# Altium PCB PCB main.PcbDoc
Units mm, origin at the board's own origin, x right, y up, seen from the top; angles counter-clockwise.
Board outline 150 x 150 mm, 2 copper layers (Top Layer, Bottom Layer); 97 components, 75 nets, 420 pads, 0 vias.
Unrouted connection lines stored in the file: 239.
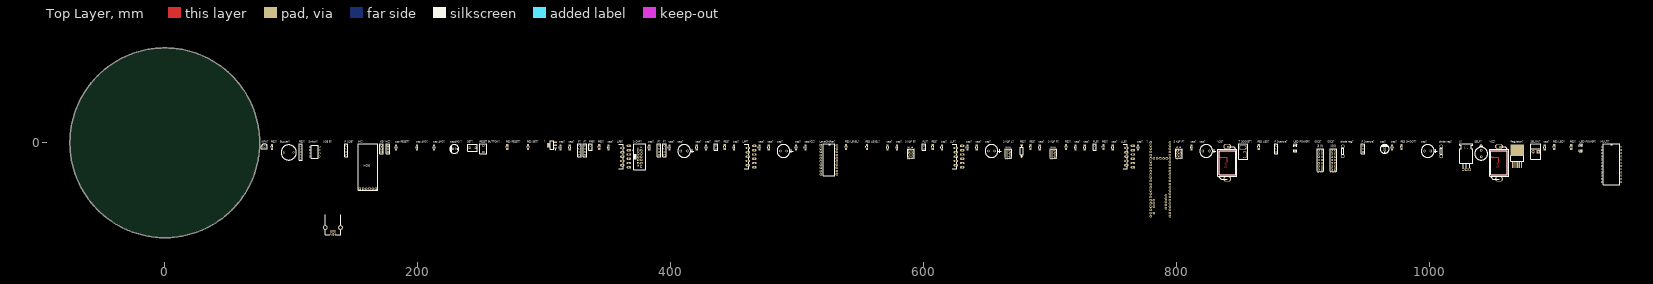
[diagram p0: Top Layer view]
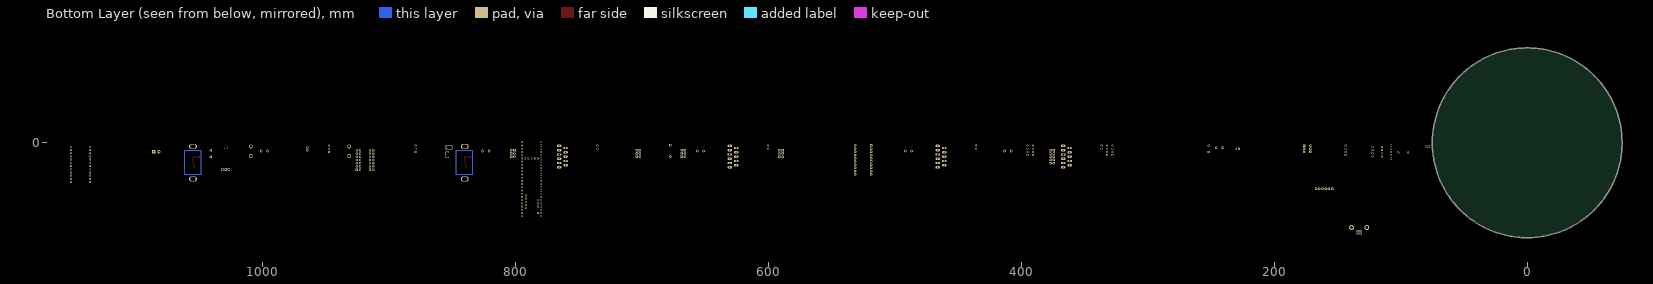
[diagram p1: Bottom Layer view, seen from below]

## Layer stack, top to bottom
Top Solder: solder mask 0.0102, Solder Resist, Dk 3.5
Top Layer: signal copper 0.0356
Dielectric 1: dielectric 0.32, FR-4, Dk 4.8
Bottom Layer: signal copper 0.0356
Bottom Solder: solder mask 0.0102, Solder Resist, Dk 3.5

## Board outline
0,-75 cw(c0,0) -75,0 cw(c0,0) 0,75 cw(c0,0) 75,0 cw(c0,0)

## Design rules (kind name [scope] priority, off if disabled: settings)
Clearance [All] p1: gap=0.5 ignorepadtopadclearanceinfootprint=FALSE
PolygonConnect [All] p1: connectstyle=Relief reliefconductorwidth=0.254 reliefentries=4 polygonreliefangle="90 Angle" airgapwidth=0.254
RoutingVias [All] p1: holewidth=0.711 width=1.27 viastyle="Through Hole" minholewidth=0.711 minwidth=1.27 maxholewidth=0.711 maxwidth=1.27
SolderMaskExpansion [All] p1: expansion=0.102
Width [All] p1: maxlimit=0.254 minlimit=0.254 preferedwidth=0.254
30 further rules are at their usual default settings.

## Classes and differential pairs
component class "main schematic": ? Buzzer? "cap AMS?" "cap RESET?" cap? "capAMS ?" capVCC? "diode reg?" HC? IDCS? "KEY HC?" "LED POWER?" LevelShifter? LLB? LLF? LRB? LRF? MULTI? NPN? "P Scense?" "P USB?" P? PLB? PLF? PRB? PRF? Regulator? "RES LED?" "RES LEVEL?" "RES RESET?" "RES SET?" "RES SHOOT?" RES? "RESET BUTTON?" "S CMP?" "S KAF B?" "S KAF F?" "S KAF L?" "S KAF R?" SELF? SELON? SET? Switch? "T SOCKET?" t? "USB B?" VCC? VSS?

## Components (designator, comment, footprint, x,y, rotation, side; value= is the part's Value field where it differs from the comment)
? "LD1117DT33" SOT223 306.07,-1.905 r90 top
? "TEENSY_3.5/3.6" TEENSY_3.5/3.6 786.892,-30.099 r90 top
Buzzer? "Buzzer" Buzzer 97.917,-7.62 r0 top
"cap AMS?" "smd" "Cap SMD" 199.39,-3.683 r90 top
"cap AMS?" "smd" "Cap SMD" 212.852,-3.683 r90 top
"cap RESET?" "smd" "Cap SMD" 182.88,-3.683 r90 top
cap? "1000uf" "Cap 1000uf" 653.415,-6.477 r0 top
cap? "smd" "Cap SMD" 614.299,-3.683 r90 top
cap? "smd" "Cap SMD" 571.373,-3.683 r90 top
cap? "smd" "Cap SMD" 578.739,-3.683 r90 top
cap? "1000uf" "Cap 1000uf" 488.95,-6.477 r0 top
cap? "smd" "Cap SMD" 634.365,-3.683 r90 top
cap? "smd" "Cap SMD" 427.863,-3.683 r90 top
cap? "smd" "Cap SMD" 769.366,-3.683 r90 top
cap? "smd" "Cap SMD" 1090.803,-3.683 r90 top
cap? "smd" "Cap SMD" 691.642,-3.683 r90 top
cap? "smd" "Cap SMD" 498.983,-3.683 r90 top
cap? "smd" "Cap SMD" 398.907,-3.683 r90 top
cap? "smd" "Cap SMD" 719.836,-3.683 r90 top
cap? "smd" "Cap SMD" 477.393,-3.683 r90 top
cap? "smd" "Cap SMD" 811.53,-3.683 r90 top
cap? "smd" "Cap SMD" 641.731,-3.683 r90 top
cap? "smd" "Cap SMD" 727.202,-3.683 r90 top
cap? "1000uf" "Cap 1000uf" 823.087,-6.477 r0 top
cap? "smd" "Cap SMD" 749.3,-3.683 r90 top
cap? "smd" "Cap SMD" 382.905,-3.683 r90 top
cap? "1000uf" "Cap 1000uf" 410.464,-6.477 r0 top
cap? "smd" "Cap SMD" 470.027,-3.683 r90 top
cap? "smd" "Cap SMD" 312.674,-3.683 r90 top
cap? "smd" "Cap SMD" 350.774,-3.683 r90 top
cap? "1000uf" "Cap 1000uf" 998.22,-6.477 r0 top
cap? "smd" "Cap SMD" 970.153,-3.683 r90 top
cap? "smd" "Cap SMD" 320.04,-3.683 r90 top
cap? "smd" "Cap SMD" 420.497,-3.683 r90 top
cap? "smd" "Cap SMD" 449.961,-3.683 r90 top
cap? "100uf" "Cap 100uF" 964.184,-4.953 r0 top
"capAMS ?" "100uf" "Cap 100uF" 228.981,-4.953 r90 top
capVCC? "smd" "Cap SMD" 506.349,-3.683 r90 top
"diode reg?" "Diode" Diode 1008.888,-6.731 r90 top
"diode reg?" "Diode" Diode 931.037,-6.731 r90 top
HC? "HC05" HC05 159.766,-21.082 r0 top
IDCS? "IDC 2X7" "IDC 2X7" 924.179,-13.335 r90 top
IDCS? "IDC 2X7" "IDC 2X7" 913.765,-13.335 r90 top
"KEY HC?" "KEY 2ST" "KEY 2ST" 173.863,-4.699 r90 top
"LED POWER?" "SMD" "LED SMD" 893.445,-3.81 r90 top
"LED POWER?" "SMD" "LED SMD" 1119.378,-3.81 r90 top
LevelShifter? "LevelShifter" CJMCU 518.541,-2.032 r0 top
LLB? "L6203" MultiWatt11 762.254,-10.922 r90 top
LLF? "L6203" MultiWatt11 627.38,-10.922 r90 top
LRB? "L6203" MultiWatt11 363.855,-10.922 r90 top
LRF? "L6203" MultiWatt11 463.042,-10.922 r90 top
MULTI? "4067 DIP" "4067 DIP" 1143.762,-16.891 r0 top
NPN? "N2222A" NPN 78.74,-3.048 r0 top
"P Scense?" "Header 3" HDR1X3 878.586,-7.239 r90 top
"P Scense?" "Header 3" HDR1X3 947.039,-7.239 r90 top
"P USB?" "Header 4" HDR1X4 143.51,-9.779 r90 top
P? "Header 4" HDR1X4 390.652,-9.779 r90 top
P? "Header 4" HDR1X4 327.787,-9.779 r90 top
P? "Header 4" HDR1X4 332.105,-9.779 r90 top
P? "Header 4" HDR1X4 394.97,-9.779 r90 top
PLB? "Header 2" HDR1X2 734.949,-4.699 r90 top
PLF? "Header 2" HDR1X2 600.075,-4.699 r90 top
PRB? "Header 2" HDR1X2 336.423,-4.699 r90 top
PRF? "Header 2" HDR1X2 435.61,-4.699 r90 top
Regulator? "LM2576" D2PAK 1068.959,-9.525 r90 top
"RES LED?" "SMD" "Resistor SMD 1206" 864.743,-3.175 r90 top
"RES LED?" "SMD" "Resistor SMD 1206" 1098.296,-3.175 r90 top
"RES LEVEL?" "SMD" "Resistor SMD 1206" 554.99,-3.175 r90 top
"RES LEVEL?" "SMD" "Resistor SMD 1206" 538.48,-3.175 r90 top
"RES RESET?" "SMD" "Resistor SMD 1206" 270.637,-3.175 r90 top
"RES SET?" "SMD" "Resistor SMD 1206" 287.147,-3.175 r90 top
"RES SHOOT?" "SMD" "Resistor SMD 1206" 977.519,-3.175 r90 top
RES? "SMD" "Resistor SMD 1206" 684.276,-3.175 r90 top
RES? "Res Array 5" "Res Array 5" 107.569,-7.747 r90 top
RES? "SMD" "Resistor SMD 1206" 84.709,-3.175 r90 top
RES? "DIP" Resistor 677.164,-6.35 r90 top
RES? "SMD" "Resistor SMD 1206" 1111.758,-3.175 r90 top
RES? "SMD" "Resistor SMD 1206" 712.47,-3.175 r90 top
RES? "SMD" "Resistor SMD 1206" 442.595,-3.175 r90 top
RES? "SMD" "Resistor SMD 1206" 607.06,-3.175 r90 top
RES? "SMD" "Resistor SMD 1206" 343.408,-3.175 r90 top
RES? "SMD" "Resistor SMD 1206" 741.934,-3.175 r90 top
"RESET BUTTON?" "SW-PB" SW_2pin 251.714,-4.699 r90 top
"S CMP?" "IDC2x5" "IDC 2x5" 375.539,-11.049 r0 top
"S KAF B?" "IDC 2X3" "IDC 2X3" 589.788,-8.382 r90 top
"S KAF F?" "IDC 2X3" "IDC 2X3" 801.751,-8.382 r90 top
"S KAF L?" "IDC 2X3" "IDC 2X3" 667.004,-8.382 r90 top
"S KAF R?" "IDC 2X3" "IDC 2X3" 702.564,-8.382 r90 top
SELF? "1000uf" "Cap 1000uf" 1040.511,-8.636 r90 top
SELON? "Selon" "Selon Con" 1083.564,-7.493 r0 top
SET? "SW-PB" SW_2pin 243.332,-3.937 r0 top
Switch? "DIP4" "DIP SW4" 118.491,-6.985 r90 top
"T SOCKET?" "TSocket" TSocket 857.377,-6.985 r90 top
t? "TIP41" TIP41 1028.573,-11.684 r0 top
"USB B?" "USB_B" USB_B.2 132.842,-69.342 r90 top
VCC? "Power Key" "Power Key" 1054.735,-15.875 r90 top
VSS? "Power Key" "Power Key" 839.978,-15.875 r90 top

## Footprints (in the part's own frame and the unit in brackets; to place one, negate y for a bottom-side part, rotate by r counter-clockwise, add the part's x,y. Pads: shape width x height; smd on the part's side, far side on the other; paste and mask are expansions set on the pad)
"4067 DIP" [mm]
  rect 1.5x1.5 hole 0.9: 1(-7.874,13.776)
  round 1.5 hole 0.9: 2(-7.874,11.236) 3(-7.874,8.696) 4(-7.874,6.156) 5(-7.874,3.616) 6(-7.874,1.076) 7(-7.874,-1.464) 8(-7.874,-4.004) 9(-7.874,-6.544) 10(-7.874,-9.084) 11(-7.874,-11.624) 12(-7.874,-14.164) 13(7.366,-14.164) 14(7.366,-11.624) 15(7.366,-9.084) 16(7.366,-6.544) 17(7.366,-4.004) 18(7.366,-1.464) 19(7.366,1.076) 20(7.366,3.616) 21(7.366,6.156) 22(7.366,8.696) 23(7.366,11.236) 24(7.366,13.776)
  silkscreen extent -6.7,-16.34 6.2,15.96, body extent -9.14,-16.64 8.64,16, height 9.79
Buzzer [mil]
  round 60 hole 30: 1(-149,0) 2(151,0)
  silkscreen extent -235,-236 237,236, body extent -269,-269 270,270, height 299
"Cap 100uF" [mm]
  oval 2x1.5 hole 1: 1(0.076,-0.973) 2(0.076,1.227)
  silkscreen extent -3.42,-3.37 3.58,3.63, body extent -2.45,-2.4 2.6,2.65, height 11.53
"Cap 1000uf" [mm]
  round 2 hole 1.2: 1(2.591,0) 2(-2.489,0)
  silkscreen extent -5.03,-5.08 7.67,5.08, body extent -5,-5 5,5, height 13.5
"Cap SMD" [mm]
  rect 1.5x1.7 smd: 1(-1.525,0) 2(1.525,0)
  silkscreen extent -0.47,-0.72 0.53,0.78, body extent -1.49,-0.76 1.55,0.76, height 0.75
CJMCU [mm]
  round 2 hole 1: A1(0,-2.54) A2(0,-5.08) A3(0,-7.62) A4(0,-10.16) A5(0,-12.7) A6(0,-15.24) A7(0,-17.78) A8(0,-20.32) B1(12.7,-2.54) B2(12.7,-5.08) B3(12.7,-7.62) B4(12.7,-10.16) B5(12.7,-12.7) B6(12.7,-15.24) B7(12.7,-17.78) B8(12.7,-20.32) GND(12.7,-22.86) OE(0,-22.86) vB(12.7,0)
  rect 2x2 hole 1: vA(0,0)
  silkscreen extent 1.98,-24.13 11.1,1.14
D2PAK [mm] "LM2576"
  rect 5x1.05 smd paste-25.4 mask-25.4: 1(-7.758,3.375) 2(-7.758,1.675) 3(-7.758,-0.025) 4(-7.758,-1.725) 5(-7.758,-3.425)
  rect 9x10.5 smd mask-25.4: 6(3.592,-0.025)
  silkscreen extent -5.01,-5.13 -0.51,5.07, body extent -7.37,-5.08 6.86,5.08, height 4.87
Diode [mm]
  round 3 hole 2: 1(3.861,-0.025) 2(-3.759,-0.025)
  silkscreen extent -2.72,-0.79 2.82,0.74, body extent -3.57,-1.03 3.93,0.97, height 2
"DIP SW4" [mm]
  rect 1.5x1.5 hole 0.9: 1(3.829,3.854)
  round 1.5 hole 0.9: 2(1.289,3.854) 3(-1.251,3.854) 4(-3.791,3.854) 5(-3.791,-3.766) 6(-1.251,-3.766) 7(1.289,-3.766) 8(3.829,-3.766)
  silkscreen extent -5.13,-2.61 5.17,2.69, body extent -6.12,-4.7 6.22,5.08, height 8.14
HC05 [mm]
  rect 2x2 hole 1.1: 1(-5.588,-15.24)
  round 2 hole 1.1: 2(-3.048,-15.24) 3(-0.508,-15.24) 4(2.032,-15.24) 5(4.572,-15.24) 6(7.112,-15.24)
  silkscreen extent -6.98,-16.51 8.51,20.19, body extent -7.21,-22.82 8.89,19.78, height 5.9
HDR1X2 [mm] "Connector; Header; 2 Position"
  rect 1.5x1.5 hole 0.9: 1(0,0)
  round 1.5 hole 0.9: 2(2.54,0)
  silkscreen extent -1.27,-1.27 3.81,1.27
HDR1X3 [mm] "Connector; Header; 3 Position"
  rect 1.5x1.5 hole 0.9: 1(0,0)
  round 1.5 hole 0.9: 2(2.54,0) 3(5.08,0)
  silkscreen extent -1.27,-1.27 6.35,1.27
HDR1X4 [mm] "Connector; Header; 4 Position"
  rect 1.5x1.5 hole 0.9: 1(0,0)
  round 1.5 hole 0.9: 2(2.54,0) 3(5.08,0) 4(7.62,0)
  silkscreen extent -1.27,-1.27 8.89,1.27
"IDC 2X3" [mm]
  rect 2x2 hole 1.1: 1(-2.54,-1.27) 6(2.54,1.27)
  round 2 hole 1.1: 2(-2.54,1.27) 3(0,-1.27) 4(0,1.27) 5(2.54,-1.27)
  silkscreen extent -3.81,-2.54 3.81,2.54, body extent -7.62,-4.86 7.62,4.59, height 9.1
"IDC 2x5" [mm] "IDC 5x2"
  rect 2x2 hole 1.1: 1(-1.397,5.131)
  round 2 hole 1.1: 2(1.143,5.131) 3(-1.397,2.591) 4(1.143,2.591) 5(-1.397,0.051) 6(1.143,0.051) 7(-1.397,-2.489) 8(1.143,-2.489) 9(-1.397,-5.029) 10(1.143,-5.029)
  silkscreen extent -5.5,-10.11 4.47,10.21, body extent -4.73,-10.11 5.09,10.21, height 133.79
"IDC 2X7" [mm]
  rect 1.8x1.8 hole 1.1 unplated: 1(-7.874,-0.889)
  round 1.8 hole 1.1 unplated: 2(-7.874,1.651) 3(-5.334,-0.889) 4(-5.334,1.651) 5(-2.794,-0.889) 6(-2.794,1.651) 7(-0.254,-0.889) 8(-0.254,1.651) 9(2.286,-0.889) 10(2.286,1.651) 11(4.826,-0.889) 12(4.826,1.651) 13(7.366,-0.889) 14(7.366,1.651)
  silkscreen extent -9.14,-2.16 8.64,2.92, body extent -12.83,-4.06 12.55,5.04, height 9.3
"KEY 2ST" [mm]
  rect 2x2 hole 1.1: 1(-2.54,2.54) 6(2.54,-2.54)
  round 2 hole 1.1: 2(-2.54,-2.54) 3(0,2.54) 4(0,-2.54) 5(2.54,2.54)
  silkscreen extent -3.81,-3.81 3.81,3.81
"LED SMD" [mm]
  rect 1.5x1.5 smd: 1(-2.125,0.025) 2(1.525,0.025)
  silkscreen extent -3.4,-1.12 2.95,1.18, body extent -1.92,-0.7 1.38,0.75, height 1.36
MultiWatt11 [mm] "L6203"
  oval 1.8x3.6 hole 1.3 mask-25.4: 1(-8.5,-2.921) 2(-6.8,2.159) 3(-5.1,-2.921) 4(-3.4,2.159) 5(-1.7,-2.921) 6(0,2.159) 7(1.7,-2.921) 8(3.4,2.159) 9(5.1,-2.921) 10(6.8,2.159) 11(8.5,-2.921)
  silkscreen extent -9.7,1.56 9.7,4.86, body extent -10.1,-3.28 10.1,6.61, height 22.8
NPN [mm]
  rect 1x1.55 hole 0.8: 1(1.27,0)
  oval 1x1.55 hole 0.8: 2(0,0) 3(-1.27,0)
  silkscreen extent -2.35,-1.47 2.35,2.15, body extent -2.35,-1.47 2.41,2.16, height 6.83
"Power Key" [mm]
  oct 4x6 hole 3 slot 4 at 90 deg: 1(12.947,0.122) 2(-12.753,0.122)
  Top Layer lines w0.2: 3.897,5.522 4.597,6.222 ; 5.297,5.522 4.597,6.222 ; 0.697,0.372 4.597,0.372 4.597,6.222 ; -9.475,6.575 -9.475,-6.35 9.65,-6.35 9.65,6.575 -9.475,6.575
  Bottom Layer lines w0.2: -9.5,6.575 -9.5,-6.35 9.65,-6.35 9.65,6.575 -9.5,6.575
  silkscreen extent -12.75,-7.38 12.95,7.62, body extent -10.39,-7.25 10.9,7.76, height 3.29
"Res Array 5" [mm]
  rect 1.5x1.5 hole 0.9: 1(-4.572,0.127)
  round 1.5 hole 0.9: 2(-2.032,0.127) 3(0.508,0.127) 4(3.048,0.127) 5(5.588,0.127)
  silkscreen extent -5.84,-1.14 6.86,1.4, body extent -5.84,-1.27 6.86,1.24, height 5.63
Resistor [mm] "DIP 2"
  round 2 hole 1: 1(4.496,-0.076) 2(-4.504,-0.076)
  silkscreen extent -4.5,-1.33 4.5,1.17, body extent -4.82,-1.4 4.81,1.24, height 3.09
"Resistor SMD 1206" [mm]
  rect 1.5x1.7 smd: 1(-1.6,0) 2(1.6,0)
  silkscreen extent -0.5,-0.75 0.5,0.75, body extent -1.6,-0.8 1.6,0.8, height 0.55
"Selon Con" [mm]
  rect 2.5x2.5 hole 1.5: 1(2.022,0.385)
  round 2.5 hole 1.5: 2(-1.978,0.385)
  silkscreen extent -3.98,-5.36 4.02,6.64
SOT223 [mm]
  rect 1x2.4 smd: 1(-2.269,-2.85) 2(0.031,-2.85) 3(2.331,-2.85)
  rect 3.3x2.4 smd: 2(0.031,2.95)
  silkscreen extent -3.44,-2.98 3.38,1.45, body extent -3.21,-3.44 3.27,3.54, height 1.64
SW_2pin [mm]
  rect 1.85x1.85 hole 1.1: 1(-2.54,0)
  round 1.85 hole 1.1: 2(2.54,0)
  silkscreen extent -4.44,-2.92 3.81,2.92, body extent -3.96,-3.1 3.96,3.1, height 4.45
TEENSY_3.5/3.6 [mm]
  round 2 / inner round 1.524 / far side round 1.448 hole 1: 0/RX(-25.4,-7.62) 1/TX(-22.86,-7.62) 2(-20.32,-7.62) 3/CANTX(-17.78,-7.62) 3V3(7.62,-7.62) 3V3_2(17.78,-2.54) 3V3_LO(-22.86,7.62) 4/CANRX(-15.24,-7.62) 5(-12.7,-7.62) 6(-10.16,-7.62) 7(-7.62,-7.62) 8(-5.08,-7.62) 9/CS(-2.54,-7.62) 10/CS(0,-7.62) 11/MOSI(2.54,-7.62) 12/MISO(5.08,-7.62) 13/SCK(5.08,7.62) 14/A0(2.54,7.62) 15/A1(0,7.62) 16/A2(-2.54,7.62) 17/A3(-5.08,7.62) 18/A4/SDA(-7.62,7.62) 19/A5/SCL(-10.16,7.62) 20/A6(-12.7,7.62) 21/A7(-15.24,7.62) 21/DAC0(12.7,7.62) 22/A8(-17.78,7.62) 23/A9(-20.32,7.62) 24(10.16,-7.62) 25(12.7,-7.62) 26(15.24,-7.62) 27(17.78,-7.62) 28(20.32,-7.62) 29(22.86,-7.62) 30(25.4,-7.62) 31/A12(27.94,-7.62) 32/A13(30.48,-7.62) 33/A14(30.48,7.62) 34/A15(27.94,7.62) 35/A16(25.4,7.62) 36/A17(22.86,7.62) 37/A18(20.32,7.62) 38/A19(17.78,7.62) 39/A20(15.24,7.62) A10(-17.78,5.08) A11(-15.24,5.08) A22/DAC1(10.16,7.62) AGND(-25.4,7.62) AREF(-20.32,5.08) GND(-27.94,-7.62) GND2(7.62,7.62) GND3(17.78,0) PROG(17.78,2.54) RESET(17.78,5.08) U5V(-21.59,-4.445) UD+(-16.51,-4.445) UD-(-19.05,-4.445) UGND1(-13.97,-4.445) UGND2(-11.43,-4.445) VBAT(17.78,-5.08) VIN(-27.94,7.62) VUSB(-25.4,5.08)
  body extent -30.67,-8.89 31.69,8.89, height 7.49
TIP41 [mm]
  round 3 hole 3: 0(0.175,8.296)
  oval 2x2.5 hole 1.5: 1(-2.365,-9.484) 2(0.175,-9.484) 3(2.715,-9.484)
  silkscreen extent -4.9,-7.96 5.26,10.84
TSocket [mm]
  rect 5.3x2.9 hole 2 slot 4.2 at 0 deg: 1(-2.54,3.81)
  rect 2.9x5.3 hole 2 slot 4.2 at 90 deg: 2(3.302,5.207)
  silkscreen extent -5.97,1.27 6.22,8.64, body extent -5.78,1.18 6.22,8.48, height 14.25
USB_B.2 [mm]
  rect 1.6x1.9 hole 1: 1(-2.355,1.25)
  oval 1.6x1.9 hole 1: 2(-2.355,-1.25) 3(-0.355,-1.25) 4(-0.355,1.25)
  round 3.8 hole 2.3: 5(2.355,6.02) 6(2.355,-6.02)
  silkscreen extent -3.83,-6.05 12.64,6.05, body extent -3.86,-7.45 68.53,7.45, height 11.05

## Part data
"cap AMS?" "cap AMS?" "cap RESET?" cap? cap? cap? cap? cap? cap? cap? cap? cap? cap? cap? cap? cap? cap? cap? cap? cap? cap? cap? cap? cap? cap? cap? cap? capVCC?: library part "Cap SMD"
cap? cap? cap? cap? cap? SELF?: library part "Cap 1000uF"
cap? "capAMS ?": library part "Cap 100uF"
"LED POWER?" "LED POWER?": library part "LED SMD"
NPN?: library part NPN
"P Scense?" "P Scense?": "Header, 3-Pin", LatestRevisionDate=17-Jul-2002, LatestRevisionNote="Re-released for DXP Platform.", Publisher="Altium Limited"
"P USB?" P? P? P? P?: "Header, 4-Pin", LatestRevisionDate=17-Jul-2002, LatestRevisionNote="Re-released for DXP Platform.", Publisher="Altium Limited"
PLB? PLF? PRB? PRF?: "Header, 2-Pin", LatestRevisionDate=17-Jul-2002, LatestRevisionNote="Re-released for DXP Platform.", Publisher="Altium Limited"
"RES LED?" "RES LED?" "RES LEVEL?" "RES LEVEL?" "RES RESET?" "RES SET?" "RES SHOOT?" RES? RES? RES? RES? RES? RES? RES? RES?: library part "Res SMD"
RES?: library part Res
"RESET BUTTON?" SET?: "Switch", LatestRevisionDate=17-Jul-2002, LatestRevisionNote="Re-released for DXP Platform.", PackageDescription="Switch; 2 Leads", PackageReference=SPST-2, Published=24-Mar-1999, Publisher="Altium Limited"
"S CMP?": library part "IDC 2x5"
Switch?: library part "DIP SW 4"
"USB B?": "USB B", LatestRevisionDate=17-Jul-2002, LatestRevisionNote="Re-released for DXP Platform.", Publisher="Altium Limited"
?: DeviceSetName=TEENSY_3.5/3.6, GateName_1=G$1, LibraryName=Teensy356, Package=TEENSY_3.5/3.6, SymbolName_1=TEENSY_3.5/3.6

## Nets (pads, with @x,y where several pads share a name; then routed paths per layer and width w, separated by ;. In a path a pad name is that pad's centre, name@x,y a point inside that pad or via, vN(x,y) a via of type N, cw(c..) or ccw(c..) an arc to the next point about the centre after c; other vN are vias at no path point)
3V3: "P Scense?.1" "RES RESET?.2" "RES SET?.2" ?.3V3 ?.3V3_2 ?.3V3_LO cap?.2@498.983,-2.158 LevelShifter?.vA Switch?.5 Switch?.6 Switch?.7 Switch?.8
3V3AMS: "cap AMS?.2"@212.852,-2.158 "capAMS ?.1" "KEY HC?.1" "KEY HC?.2" ?.2@303.12,-1.874 ?.2@308.92,-1.874
3V3HC: "KEY HC?.3" "KEY HC?.4" HC?.5
ADRESS0: ?.9/CS MULTI?.10
ADRESS1: ?.12/MISO MULTI?.11
ADRESS2: ?.29 MULTI?.14
ADRESS3: ?.30 MULTI?.13
BALLSENSORS: ?.39/A20 cap?.2@1090.803,-2.158 RES?.2@1111.758,-1.575
BUZZER: ?.28 RES?.1@84.709,-4.775
feedback: ?.21/DAC0 cap?.1@691.642,-5.208 RES?.2@677.24,-10.854 RES?.2@684.276,-1.575 RES?.2@712.47,-1.575
GND: "cap AMS?.1"@212.852,-5.208 "cap AMS?.2"@199.39,-2.158 "cap RESET?.2" "capAMS ?.2" "diode reg?.1"@931.062,-2.87 "LED POWER?.2" "P Scense?.2" "P USB?.4" "RESET BUTTON?.2" "S CMP?.3" "S CMP?.4" "S KAF B?.3" "S KAF B?.4" "S KAF F?.3" "S KAF F?.4" "S KAF L?.3" "S KAF L?.4" "S KAF R?.3" "S KAF R?.4" "T SOCKET?.1" "USB B?.4" "USB B?.5" "USB B?.6" ?.1 ?.GND3 cap?.1@382.905,-5.208 cap?.1@398.907,-5.208 cap?.1@470.027,-5.208 cap?.1@477.393,-5.208 cap?.1@498.983,-5.208 cap?.1@634.365,-5.208 cap?.1@641.731,-5.208 cap?.1@769.366,-5.208 cap?.1@811.53,-5.208 cap?.1@1090.803,-5.208 cap?.2@407.975,-6.477 cap?.2@486.461,-6.477 cap?.2@650.926,-6.477 cap?.2@691.642,-2.158 cap?.2@820.598,-6.477 cap?.2@964.26,-3.726 cap?.2@970.153,-2.158 cap?.2@995.731,-6.477 capVCC?.2 HC?.4 IDCS?.9 IDCS?.10 LevelShifter?.GND LLB?.6 LLB?.10 LLF?.6 LLF?.10 LRB?.6 LRB?.10 LRF?.6 LRF?.10 MULTI?.12 MULTI?.15 NPN?.3 P?.4 Regulator?.3 Regulator?.5 Regulator?.6 RES?.1@107.442,-12.319 RES?.1@677.24,-1.854 RES?.1@684.276,-4.775 SET?.1 t?.3
"IN GPIO mlb": ?.25 LLB?.7
"IN GPIO mlf": ?.24 LLF?.7
"IN GPIO mrb": ?.26 LRB?.7
"IN GPIO mrf": ?.27 LRF?.7
"IN PWM mlb": ?.10/CS LLB?.5
"IN PWM mlf": ?.21/A7 LLF?.5
"IN PWM mrb": ?.20/A6 LRB?.5
"IN PWM mrf": ?.22/A8 LRF?.5
"IN REG": "diode reg?.1"@1008.913,-2.87 "T SOCKET?.2" VSS?.1
INREGULATOR: SELON?.2
NetBuzzer?_2: Buzzer?.2 NPN?.1
Netcap?_1: cap?.1@420.497,-5.208 LRF?.8
Netcap?_2: cap?.2@427.863,-2.158 RES?.1@442.595,-4.775
"Netdiode reg?_2": "diode reg?.2"@931.062,-10.49 Regulator?.2 SELF?.1
"NetLED POWER?_1": "LED POWER?.1"@893.42,-5.935 "RES LED?.2"@864.743,-1.575
NetNPN?_2: NPN?.2 RES?.2@84.709,-1.575
"NetP USB?_2": "P USB?.2" "USB B?.2"
"NetP USB?_3": "P USB?.3" "USB B?.3"
"NetRES SHOOT?_1": "RES SHOOT?.1" t?.1
NetSELON?_1: SELON?.1 t?.2
OUTBA: "S KAF B?.5" ?.32/A13
OUTBB: "S KAF B?.6" ?.31/A12
OUTFA: "S KAF F?.5" ?.34/A15
OUTFB: "S KAF F?.6" ?.33/A14
OUTLA: "S KAF L?.5" ?.35/A16
OUTLB: "S KAF L?.6" ?.36/A17
OUTMULTI: MULTI?.1 RES?.1@1111.758,-4.775
OUTRA: "S KAF R?.5" ?.37/A18
OUTRB: "S KAF R?.6" ?.38/A19
RESET: "cap RESET?.1" "RES RESET?.1" "RESET BUTTON?.1" ?.RESET
RX: ?.0/RX HC?.3
RXB: "S CMP?.8" ?.7
S0: ?.6 IDCS?.12@912.114,-8.509 MULTI?.9 RES?.5 Switch?.1
S1: ?.5 IDCS?.14@912.114,-5.969 MULTI?.8 RES?.4 Switch?.2
S2: ?.4/CANRX IDCS?.13@914.654,-5.969 MULTI?.7 RES?.3 Switch?.3
S3: ?.3/CANTX IDCS?.11@914.654,-8.509 MULTI?.6 RES?.2@107.442,-9.779 Switch?.4
S4: IDCS?.5@914.654,-16.129 MULTI?.5
S5: IDCS?.3@914.654,-18.669 MULTI?.4
S6: IDCS?.1@914.654,-21.209 MULTI?.3
S7: IDCS?.2@912.114,-21.209 MULTI?.2
S8: IDCS?.4@912.114,-18.669 MULTI?.23
S9: IDCS?.6@912.114,-16.129 MULTI?.22
S10: IDCS?.4@922.528,-18.669 MULTI?.21
S11: IDCS?.6@922.528,-16.129 MULTI?.20
S12: IDCS?.12@922.528,-8.509 MULTI?.19
S13: IDCS?.14@922.528,-5.969 MULTI?.18
S14: IDCS?.13@925.068,-5.969 MULTI?.17
S15: IDCS?.11@925.068,-8.509 MULTI?.16
S16: IDCS?.5@925.068,-16.129
S17: IDCS?.3@925.068,-18.669
S18: IDCS?.1@925.068,-21.209
S19: IDCS?.2@922.528,-21.209
Scense1: "P Scense?.3"@947.039,-2.159 ?.14/A0
Scense2: "P Scense?.3"@878.586,-2.159 ?.15/A1
SCL: "RES LEVEL?.1"@554.99,-4.775 "S CMP?.6" LevelShifter?.B1 P?.1
SCLTEENSY: ?.19/A5/SCL LevelShifter?.A1
SDA: "RES LEVEL?.1"@538.48,-4.775 "S CMP?.5" LevelShifter?.B2 P?.2
SDATEENSY: ?.18/A4/SDA LevelShifter?.A2
SET: "RES SET?.1" ?.2@794.512,-50.419 SET?.2
SHOOT: "RES SHOOT?.2" ?.11/MOSI
TX: ?.1/TX HC?.2
TXB: "S CMP?.7" ?.8
VCC: "cap AMS?.1"@199.39,-5.208 "P USB?.1" "RES LED?.1"@1098.296,-4.775 "RES LEVEL?.2" "S CMP?.1" "S CMP?.2" "S CMP?.9" "S CMP?.10" "S KAF B?.1" "S KAF B?.2" "S KAF F?.1" "S KAF F?.2" "S KAF L?.1" "S KAF L?.2" "S KAF R?.1" "S KAF R?.2" "USB B?.1" ?.3 ?.VIN Buzzer?.1 capVCC?.1 IDCS?.7 IDCS?.8 LevelShifter?.OE LevelShifter?.vB LLB?.11 LLF?.11 LRB?.11 LRF?.11 MULTI?.24 P?.3 VCC?.2
VSS: "RES LED?.1"@864.743,-4.775 cap?.1@413.055,-6.477 cap?.1@491.541,-6.477 cap?.1@656.006,-6.477 cap?.1@825.678,-6.477 cap?.2@398.907,-2.158 cap?.2@477.393,-2.158 cap?.2@641.731,-2.158 cap?.2@811.53,-2.158 LLB?.2 LLF?.2 LRB?.2 LRF?.2 RES?.1@712.47,-4.775 VSS?.2
pads on no net: "diode reg?.2"@1008.913,-10.49 "KEY HC?.5" "KEY HC?.6" "LED POWER?.1"@1119.353,-5.935 "RES LED?.2"@1098.296,-1.575 ?.13/SCK ?.16/A2 ?.17/A3 ?.23/A9 ?.A10 ?.A11 ?.A22/DAC1 ?.AGND ?.AREF ?.GND ?.GND2 ?.PROG ?.U5V ?.UD+ ?.UD- ?.UGND1 ?.UGND2 ?.VBAT ?.VUSB cap?.1@312.674,-5.208 cap?.1@320.04,-5.208 cap?.1@350.774,-5.208 cap?.1@427.863,-5.208 cap?.1@449.961,-5.208 cap?.1@571.373,-5.208 cap?.1@578.739,-5.208 cap?.1@614.299,-5.208 cap?.1@719.836,-5.208 cap?.1@727.202,-5.208 cap?.1@749.3,-5.208 cap?.1@964.26,-5.926 cap?.1@970.153,-5.208 cap?.1@1000.811,-6.477 cap?.2@312.674,-2.158 cap?.2@320.04,-2.158 cap?.2@350.774,-2.158 cap?.2@382.905,-2.158 cap?.2@420.497,-2.158 cap?.2@449.961,-2.158 cap?.2@470.027,-2.158 cap?.2@571.373,-2.158 cap?.2@578.739,-2.158 cap?.2@614.299,-2.158 cap?.2@634.365,-2.158 cap?.2@719.836,-2.158 cap?.2@727.202,-2.158 cap?.2@749.3,-2.158 cap?.2@769.366,-2.158 HC?.1 HC?.6 LevelShifter?.A3 LevelShifter?.A4 LevelShifter?.A5 LevelShifter?.A6 LevelShifter?.A7 LevelShifter?.A8 LevelShifter?.B3 LevelShifter?.B4 LevelShifter?.B5 LevelShifter?.B6 LevelShifter?.B7 LevelShifter?.B8 LLB?.1 LLB?.3 LLB?.4 LLB?.8 LLB?.9 LLF?.1 LLF?.3 LLF?.4 LLF?.8 LLF?.9 LRB?.1 LRB?.3 LRB?.4 LRB?.8 LRB?.9 LRF?.1 LRF?.3 LRF?.4 LRF?.9 PLB?.1 PLB?.2 PLF?.1 PLF?.2 PRB?.1 PRB?.2 PRF?.1 PRF?.2 Regulator?.1 Regulator?.4 RES?.1@343.408,-4.775 RES?.1@607.06,-4.775 RES?.1@741.934,-4.775 RES?.2@343.408,-1.575 RES?.2@442.595,-1.575 RES?.2@607.06,-1.575 RES?.2@741.934,-1.575 SELF?.2 t?.0 VCC?.1

## Silkscreen, mask and mechanical layers (free items; w line width, h text height)
Mechanical 1:
  circle w1: c25.961,40.78 r1.5
  circle w1: c-24.039,40.78 r1.5
  circle w1: c-26.402,-39.22 r1.5
  circle w1: c25.202,-39.712 r1.5
  circle w1: c0,0 r75

## Text inside footprints (layer, text, board x,y; h text height)
IDCS?: Top Overlay "13" at 925.576,-3.937 h1.27 r90; Top Overlay "14" at 923.036,-3.937 h1.27 r90; Top Overlay "1" at 925.576,-24.257 h1.27 r90; Top Overlay "2" at 923.036,-24.257 h1.27 r90
IDCS?: Top Overlay "13" at 915.162,-3.937 h1.27 r90; Top Overlay "14" at 912.622,-3.937 h1.27 r90; Top Overlay "1" at 915.162,-24.257 h1.27 r90; Top Overlay "2" at 912.622,-24.257 h1.27 r90
NPN?: Mechanical 1 "C" at 79.756,-4.572 h0.7
"S CMP?": Top Overlay "1" at 373.392,-3.71 h1.5 r270; Top Overlay "10" at 375.932,-17.786 h1.5 r270; Top Overlay "9" at 373.392,-17.786 h1.5 r270; Top Overlay "2" at 375.932,-3.21 h1.5 r270
"S KAF B?": Top Overlay "6" at 589.026,-4.318 h1.27 r90; Top Overlay "5" at 591.566,-4.318 h1.27 r90; Top Overlay "2" at 589.026,-13.462 h1.27 r90; Top Overlay "1" at 591.566,-12.954 h1.27 r90
"S KAF F?": Top Overlay "6" at 800.989,-4.318 h1.27 r90; Top Overlay "5" at 803.529,-4.318 h1.27 r90; Top Overlay "2" at 800.989,-13.462 h1.27 r90; Top Overlay "1" at 803.529,-12.954 h1.27 r90
"S KAF L?": Top Overlay "6" at 666.242,-4.318 h1.27 r90; Top Overlay "5" at 668.782,-4.318 h1.27 r90; Top Overlay "2" at 666.242,-13.462 h1.27 r90; Top Overlay "1" at 668.782,-12.954 h1.27 r90
"S KAF R?": Top Overlay "6" at 701.802,-4.318 h1.27 r90; Top Overlay "5" at 704.342,-4.318 h1.27 r90; Top Overlay "2" at 701.802,-13.462 h1.27 r90; Top Overlay "1" at 704.342,-12.954 h1.27 r90
"USB B?": Mechanical 1 "PCB Edge" at 138.493,-57.012 h0.25 r180
VCC?: Top Layer "Cut" at 1055.113,-20.028 h3 r90
VSS?: Top Layer "Cut" at 840.356,-20.028 h3 r90